# KiCad board keyboard.kicad_pcb (continued)
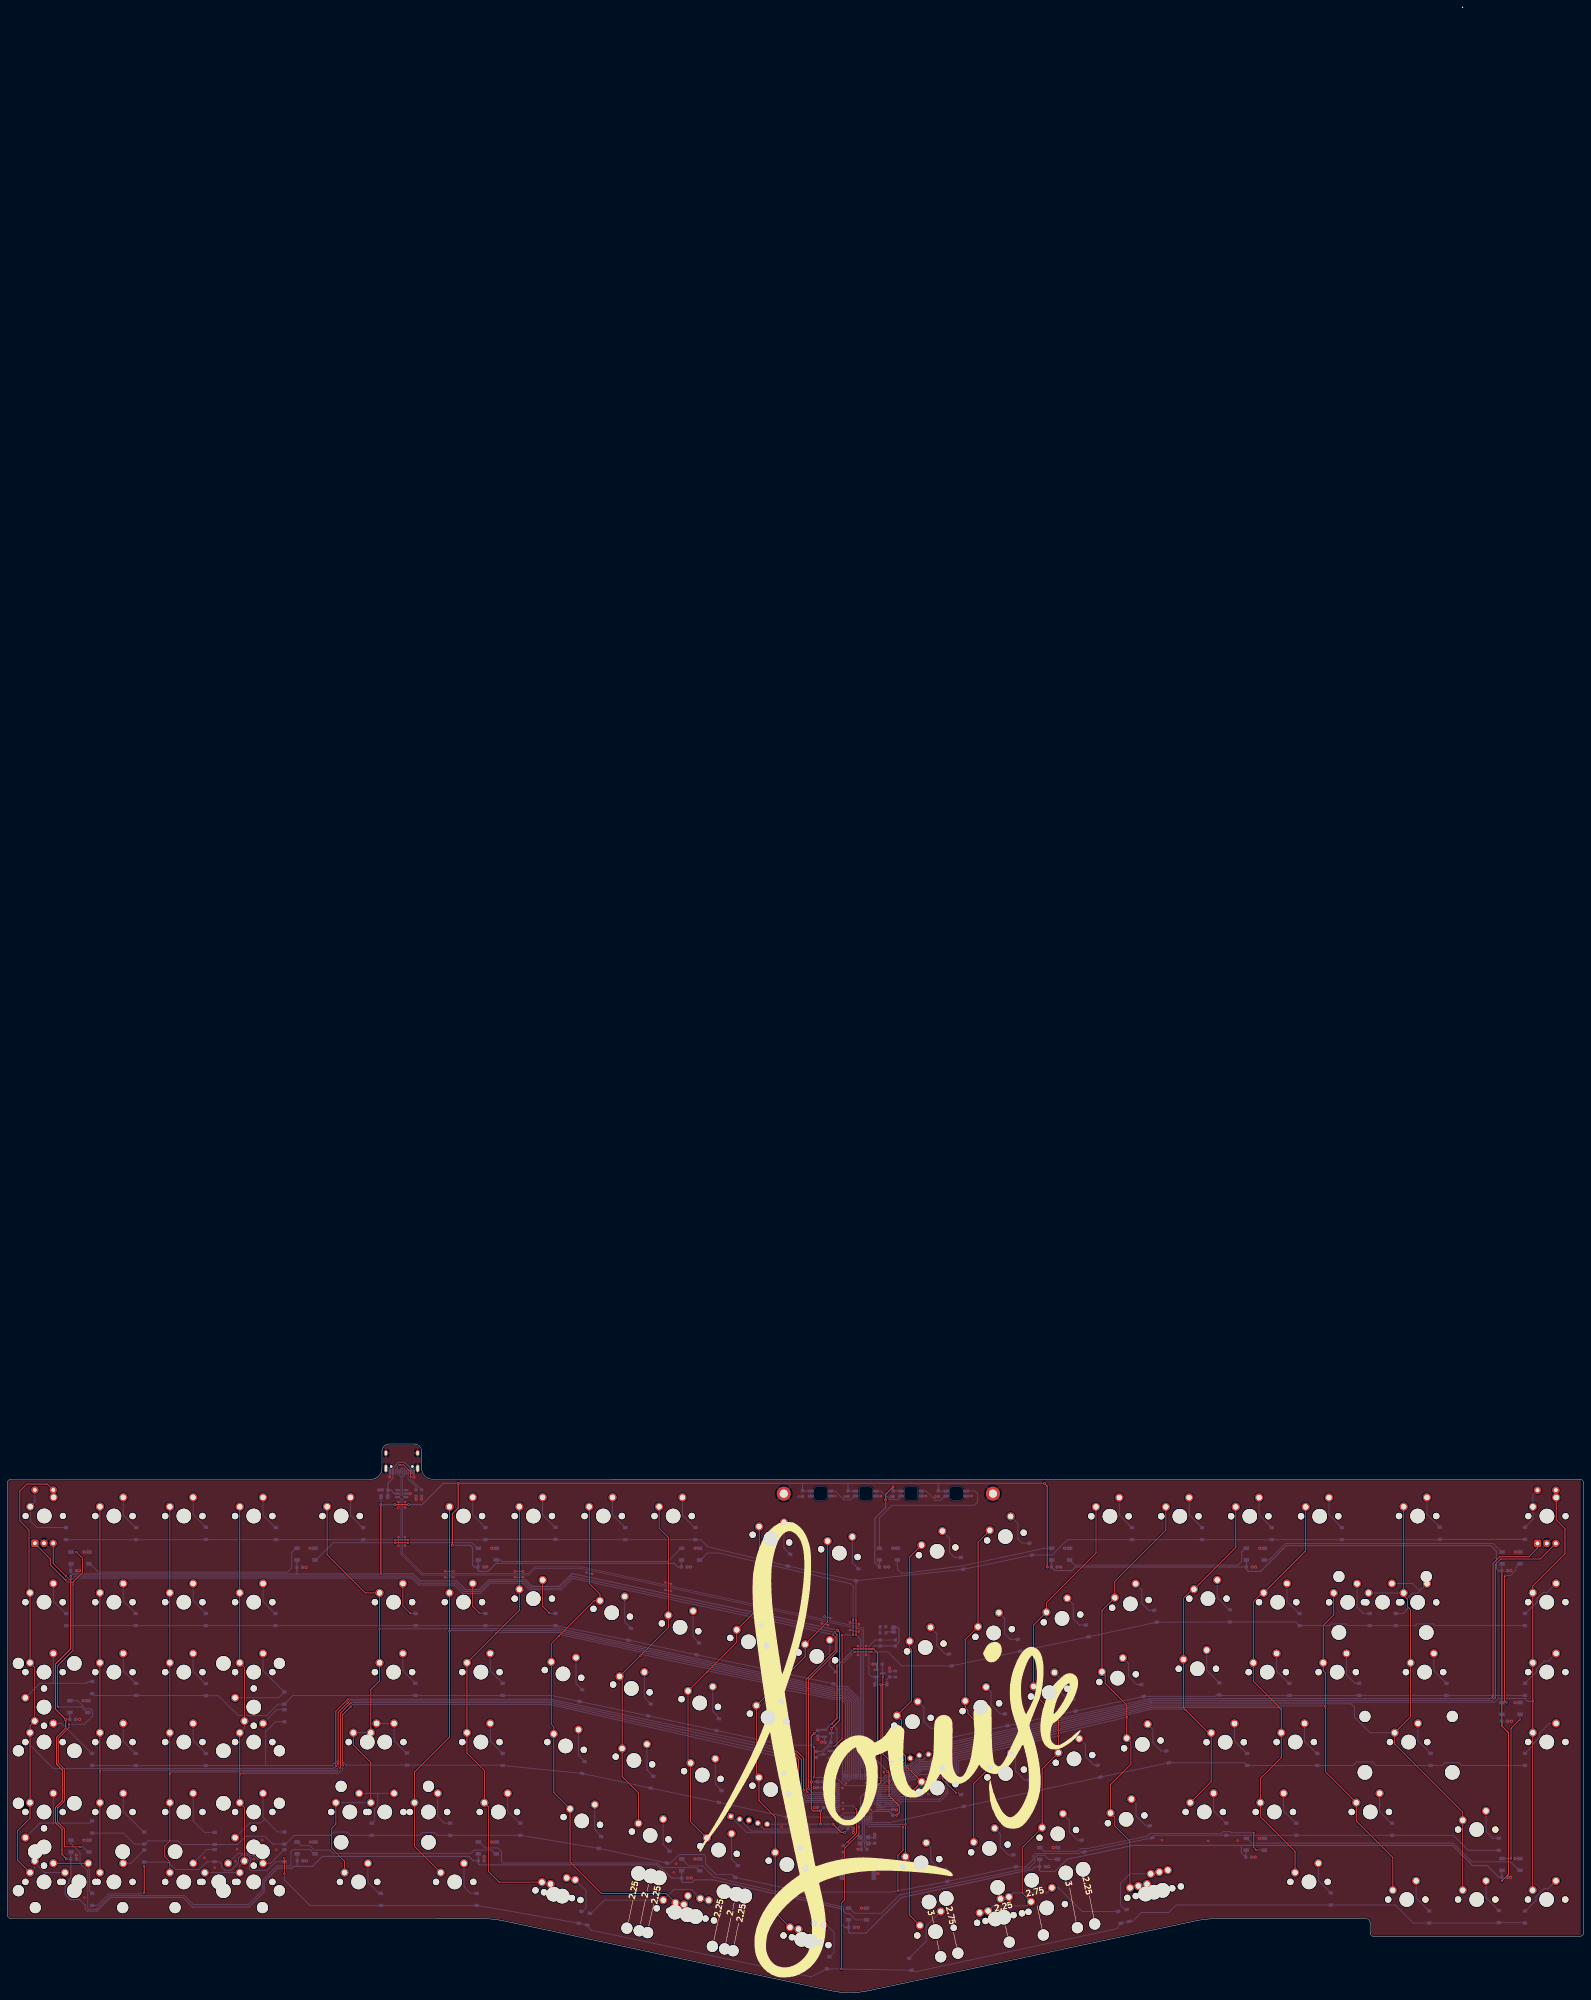
[diagram p0: board, top side]
## Routing (per net, layer and track width the routed paths; a pad name or vN(x,y) marks a point on that pad's centre or on a via; arc(x,y) is an arc through that point) (continued)
/ENC0_B: length 282.2
  Top w0.25: v1(225.5,98.14) 226.1,97.54 226.1,92.92 218.32,85.14 v1(218.32,55.52) ; SW1.B 12.5,116.92 v1(16,113.42)
  Bottom w0.25: v1(218.32,55.52) 219.4,54.44 223.16,54.44 224.59,55.87 U3.30 ; v1(225.5,98.14) 153.9,113.44 150.63,110.17 142.8,110.17 142.52,110.45 142.5,110.45 140.97,111.97 131.5,111.97 128.8,109.27 124.47,109.27 122.23,111.52 112.3,111.52 110.35,113.47 18.55,113.47 17.6,112.52 16.9,112.52 v1(16,113.42)
/ENC1_A: length 226.4
  Top w0.25: SW124.A 417.02,121.04 414.7,118.72 406.7,118.72 404.9,116.92 404.9,80.72 v1(404.5,80.32)
  Bottom w0.25: v1(404.5,80.32) 404.3,80.12 311.6,80.12 311.13,80.02 311.09,80.02 311.08,80 254.5,67.62 254.5,65.69 251.32,62.5 248.54,62.5 246.56,60.52 245.26,60.52 240.61,55.87 U3.51
/ENC1_B: length 230.6
  Top w0.25: SW124.B 417.77,118.12 407,118.12 405.5,116.62 405.5,80.32 v1(405.3,80.12)
  Bottom w0.25: U3.52 240.74,55.37 245.39,60.02 246.69,60.02 248.73,62.05 251.5,62.05 255.2,65.75 255.2,67.22 311.25,79.54 311.28,79.57 311.37,79.57 311.6,79.62 311.78,79.62 311.81,79.63 311.83,79.62 404.8,79.62 v1(405.3,80.12)
/nRST: length 56.1
  Top w0.25: v1(232.5,50.24) v1(232.5,48.64) ; v1(237,57.74) 237,57.72 234.93,55.64 v1(234.9,55.64) ; J2.1 240.85,62.79 238.6,65.04 v1(238.6,86.12)
  Bottom w0.25: v1(238.6,86.12) 238.59,86.13 Q2.3 238.6,86.99 238.6,87.94 238.42,88.12 C24.1 ; v1(232.5,48.64) 232.55,48.59 U3.7 ; v1(234.9,55.64) 232.5,53.24 v1(232.5,50.24) ; v1(237,57.74) 238.7,57.74 239.7,58.74 240.62,58.74 244.8,62.92 244.8,64.22 244.1,64.92 242.9,64.92 241.13,63.14
/RGB_UG: length 12.2
  Bottom w0.25: Q1.2 225.25,63.92 225.38,64.04 R1.2 226.97,64.04 227.58,63.44 227.58,57.93 227.81,57.69 229.29,57.69 229.52,57.93 229.52,58.82 U3.36
/row0: length 455.9
  Top w0.25: v1(231.3,97.44) v1(231.3,101.64) ; v1(109.2,123.34) v1(105.7,123.34)
  Bottom w0.25: U3.42 232.55,59.87 232.5,59.92 232.5,96.25 v1(231.3,97.44) ; D133.1 D120.1 390.3,123.37 D114.1 D108.1 D103.1 D98.1 288.92,123.37 284.76,119.2 D91.1 D86.1 D80.1 ; v1(109.2,123.34) 109.22,123.37 D47.1 130.4,123.47 D54.1 149.5,123.37 D61.1 D67.1 188.98,123.37 190.9,121.44 D74.1 230.05,112.46 D80.1 ; D80.1 231.26,101.69 v1(231.3,101.64) ; D6.1 D11.1 54,123.37 D21.1 54.2,123.37 D29.1 D38.1 105.68,123.37 v1(105.7,123.34)
/row1: length 438.3
  Top w0.25: v1(235.5,92.82) 230.92,92.82 v1(230.86,92.76)
  Bottom w0.25: U3.41 232.05,80.17 228.77,83.44 227.3,83.44 ; D130.1 389.15,99.97 388.7,100.42 384.2,100.42 383.75,99.97 D126.1 D121.1 365.25,99.97 364.8,100.42 360.8,100.42 360.35,99.97 D115.1 351.2,100.97 D109.1 D104.1 D99.1 D92.1 D87.1 243.71,89 239.9,92.82 v1(235.5,92.82) ; D1.1 D12.1 D22.1 D30.1 D39.1 D48.1 D55.1 D62.1 D68.1 D75.1 D81.1 225.82,83.44 227.3,83.44 ; v1(230.86,92.76) 230.76,92.76 227.3,89.3 227.3,83.44
/row2: length 414.6
  Top w0.25: v1(219.9,58.62) v1(219.9,66.92)
  Bottom w0.25: v1(219.9,58.62) 225.93,58.62 228.18,56.37 U3.50 240.45,56.37 245.05,60.97 246.37,60.97 248.36,62.95 251.13,62.95 253.84,65.67 D88.1 D93.1 D100.1 D105.1 329.16,80.7 329.55,81.09 D110.1 330.43,80.97 D116.1 D122.1 D127.1 D131.1 ; v1(219.9,66.92) 219.41,67.4 D82.1 D76.1 D69.1 D63.1 148.15,80.97 D56.1 D40.1 77.9,80.97 D31.1 73.75,78.57 70.64,75.46 62.96,75.46 57.55,80.87 D23.1 54,80.97 D13.1 23.78,80.97 23.28,81.47 D2.1
/row3: length 415.3
  Bottom w0.25: 70.35,61.87 88.52,61.87 89.7,63.04 91.16,63.04 92.23,61.97 D41.1 134.9,61.97 D57.1 D64.1 D70.1 D77.1 D83.1 226.86,47.8 228,48.94 231.5,48.94 232.1,49.54 234.4,49.54 235.05,48.89 U3.2 235.05,46.47 235.2,46.32 240.5,46.32 D89.1 D94.1 D101.1 D106.1 337.16,62.6 D111.1 D117.1 366.75,61.87 367.73,62.84 372.07,62.84 373.05,61.87 D123.1 391.05,61.87 391.83,62.64 395.57,62.64 396.35,61.87 D132.1 ; 70.35,61.87 70.4,61.92 70.4,71.12 73.05,73.77 D32.1 ; 70.35,61.87 D24.1 D14.1 D3.1
/row4: length 430.8
  Top w0.25: v1(244.1,45.19) 244.1,38.84 242.7,37.44 242.7,27.76 v1(242.68,27.74)
  Bottom w0.25: D4.1 31.65,43.47 34.65,40.47 D15.1 37.42,40.47 38.3,41.34 46.5,41.34 47.48,40.37 D25.1 62.75,40.37 65,42.62 70.2,42.62 72.35,40.47 D33.1 75.82,40.47 78.2,42.84 88.1,42.84 89,43.74 92.67,43.74 93.55,42.87 D42.1 112.32,42.87 113.1,43.64 116.4,43.64 117.18,42.87 D49.1 D58.1 D65.1 D71.1 180.79,35.3 183.1,37.62 189.8,37.62 190.3,37.12 190.3,35.02 193.1,32.22 197.54,32.22 D78.1 D84.1 240.91,27.4 v1(242.68,27.74) D90.1 D95.1 277.66,34.3 279.55,36.19 279.55,37.29 280.17,37.92 292.2,37.92 292.59,38.3 D102.1 D107.1 312.71,42.87 D112.1 D118.1 D124.1 394.08,42.87 398.18,38.77 D128.1 ; U3.4 234.05,45.97 234.8,45.22 244.08,45.22 v1(244.1,45.19)
/row5: length 472.8
  Top w0.25: v1(227.32,6.44) 227.3,6.45 227.3,24.42 228.2,25.32 228.2,39.34 232.1,43.24 v1(232.1,45.24) ; v1(37.3,27.22) v1(37.3,34.42) ; v1(75.5,32.34) v1(75.5,36.72)
  Bottom w0.25: v1(37.3,27.22) 37,26.92 27.7,26.92 24.55,23.77 D5.1 ; v1(232.1,45.24) 232.05,45.29 U3.8 ; v1(75.5,32.34) 75.5,30.72 82.45,23.77 D43.1 D50.1 D59.1 D66.1 159.1,17.02 219,4.32 D72.1 v1(227.32,6.44) D79.1 247.5,5.72 302.4,17.42 D85.1 D96.1 306.59,19.4 309,21.82 316.47,21.82 318.52,23.87 D113.1 378.25,23.87 383.15,18.97 D119.1 406.4,18.97 D125.1 413.5,19.07 D129.1 ; v1(75.5,36.72) D34.1 73.12,35.67 70.77,33.32 66.4,33.32 65.95,33.77 65.95,35.1 66.2,35.35 66.2,36.62 65.3,37.52 63.9,37.52 63,36.62 63,35.32 61,33.32 59.23,33.32 58.4,34.14 58.4,35.02 57.75,35.67 D26.1 54.45,35.67 52.33,33.54 45.77,33.54 43.75,35.57 D16.1 v1(37.3,34.42)
/SPARE_0: length 36.2
  Bottom w0.25: J3.1 197.14,48 201.59,43.54 226.5,43.54 229.05,46.09 U3.14
/SPARE_1: length 32.4
  Bottom w0.25: U3.15 228.55,46.29 226.25,43.99 202.81,43.99 J3.2
/SPARE_2: length 26
  Bottom w0.25: U3.16 228.05,46.43 226.16,44.54 206.17,44.54 J3.4
/SWDCLK: length 14.3
  Bottom w0.25: U3.49 238.82,56.87 239.58,57.62 239.58,57.64 240.18,58.24 240.93,58.24 244.6,61.92 245.82,61.92 248.53,64.62 J2.4
/SWDIO: length 13.4
  Bottom w0.25: J2.2 243.56,62.32 240.48,59.24 239.4,59.24 238.6,58.44 236.73,58.44 235.8,57.52 234.8,57.52 234.55,57.77 U3.46
/USB+: length 198.9
  Bottom w0.2: 108.25,140.8 108.25,140.79 107.68,140.22 107.68,135.58 108.29,134.97 U1.3 108.25,134.97 107.7,134.42 107.7,119.66 113.22,114.14 141.9,114.14 143.72,115.97 156.53,115.97 233.3,99.34 233.33,99.17 233.33,66.24 ; U3.45 234.03,58.82 234.03,61.01 233.33,61.71 233.33,66.24 ; 233.33,66.24 234.45,66.24 R7.2 ; 107.25,141.86 107.25,142.75 107.42,142.92 108.08,142.92 108.25,142.74 108.25,140.86
/USB-: length 196.6
  Bottom w0.2: U3.44 233.57,58.82 233.57,60.82 232.92,61.48 232.92,98.92 156.43,115.52 143.88,115.52 142.1,113.74 112.98,113.74 107.28,119.45 107.27,134.44 106.75,134.97 U1.4 106.64,134.97 107.27,135.6 107.27,140.51 ; 107.27,140.51 107.75,140.99 J1.A7 ; 107.27,140.51 106.75,141.04 J1.B7 ; 106.26,134.97 106.61,134.97
/XTAL_0: length 9.1
  Bottom w0.25: U3.5 233.55,41.69 234.6,40.64 Y1.3 234.67,40.69 C26.1
/XTAL_1: length 9.4
  Bottom w0.25: 232.4,42.2 233.58,41.03 233.58,39.72 C27.1 ; Y1.1 233.05,42.97 U3.6
Net-(BZ1-Pad1): length 6
  Bottom w0.25: BZ1.1 227.45,36.59 227.8,36.94 R8.2
Net-(D1-Pad2): length 9.7
  Bottom w0.25: D1.2 15.85,103.27 12.54,106.58 SW5.2
Net-(D2-Pad2): length 28.1
  Bottom w0.25: D2.2 22.05,84.77 21.56,84.28 12.54,84.28 ; 12.54,84.28 SW6.2 ; 12.54,84.28 12.55,84.27 8.87,84.27 SW7.2
Net-(D3-Pad2): length 13.9
  Bottom w0.25: D3.2 22.95,65.17 14.78,73.34 SW2.2
Net-(D4-Pad2): length 28.2
  Bottom w0.25: SW3.2 8.87,46.17 12.55,46.17 12.54,46.18 ; 12.54,46.18 SW8.2 ; 12.54,46.18 22.51,46.18 D4.2
Net-(D5-Pad2): length 18.1
  Top w0.25: SW9.2 SW4.2
  Bottom w0.25: D5.2 22.4,27.77 22.4,33.52 22.07,33.85 SW9.2
Net-(D6-Pad2): length 19.5
  Bottom w0.25: D6.2 8.05,126.67 6.25,128.47 SW1.S2 7.5,133.63 SW1.S2
Net-(D7-Pad2): length 52.2
  Bottom w0.25: D7.2 183.6,121.04 180,117.44 134.8,117.44 134.4,117.84 D9.4
Net-(D7-Pad4): length 97.9
  Top w0.25: v1(227.5,97.44) 227.5,69.22 v1(225.4,67.12) ; v1(230.5,97.44) v1(230.5,101.64)
  Bottom w0.25: v1(230.5,97.44) v1(227.5,97.44) ; R2.2 221.33,64.87 Q1.3 222.36,65.45 224.03,67.12 v1(225.4,67.12) ; v1(230.5,101.64) 230.5,110.74 229.9,111.34 193.99,119.74 190.8,119.74 188.9,117.84 D7.4
Net-(D10-Pad2): length 42.8
  Top w0.25: v1(409.8,36.52) 409.8,72.02 v1(412.2,74.42)
  Bottom w0.25: D18.4 412.2,75.77 v1(412.2,74.42) ; D10.2 v1(409.8,36.52)
Net-(D10-Pad4): length 78.2
  Bottom w0.25: D10.4 412,33.32 409.7,35.62 399.13,35.62 394,40.74 339.21,40.74 337.94,42.02 D8.2
Net-(D11-Pad2): length 9.8
  Bottom w0.25: SW10.2 31.59,130.03 34.95,126.67 D11.2
Net-(D12-Pad2): length 9.6
  Bottom w0.25: D12.2 31.59,106.68 SW11.2
Net-(D13-Pad2): length 9.7
  Bottom w0.25: D13.2 34.95,84.27 31.59,87.63 SW12.2
Net-(D14-Pad2): length 9.7
  Bottom w0.25: SW13.2 31.59,68.43 34.85,65.17 D14.2
Net-(D15-Pad2): length 13
  Bottom w0.25: D15.2 37.15,43.77 31.59,49.33 SW14.2
Net-(D16-Pad2): length 7.2
  Bottom w0.25: D16.2 33.67,35.24 SW15.2
Net-(D17-Pad2): length 56
  Top w0.25: v1(13.8,77.82) 13.7,77.92 13.7,89.02 17.9,93.22 17.9,111.82 20.5,114.42 20.5,118.32 v1(18.8,120.02)
  Bottom w0.25: v1(13.8,77.82) 20.2,77.82 21.7,76.32 D19.4 ; D17.2 v1(18.8,120.02)
Net-(D18-Pad2): length 42
  Top w0.25: v1(408.6,79.02) 408,79.62 408,113.32 v1(408.3,113.62)
  Bottom w0.25: D18.2 v1(408.6,79.02) ; D20.4 412.1,116.82 411.1,115.82 411.1,115.02 409.7,113.62 v1(408.3,113.62)
Net-(D19-Pad2): length 60.3
  Top w0.25: v1(19.9,39.72) 15.6,39.72 15.6,44.62 13.7,46.52 13.7,50.32 15.6,52.22 15.6,60.82 13.88,62.54 13.88,69.23 16.8,72.14 v1(16.8,73.12)
  Bottom w0.25: v1(16.8,73.12) 21,73.12 23.2,75.32 23.2,76.92 22.8,77.32 21.4,77.32 19.2,79.52 D19.2 ; v1(19.9,39.72) 20.53,39.72 21.93,38.32 D27.4
Net-(D20-Pad2): length 67.6
  Bottom w0.25: D28.4 343.9,117.84 348.4,122.34 404.9,122.34 407.23,120.02 D20.2
Net-(D21-Pad2): length 9.6
  Bottom w0.25: D21.2 50.64,130.23 SW16.2
Net-(D22-Pad2): length 9.6
  Bottom w0.25: D22.2 50.64,106.73 SW17.2
Net-(D23-Pad2): length 9.7
  Bottom w0.25: D23.2 53.94,84.17 50.64,87.47 SW18.2
Net-(D24-Pad2): length 9.6
  Bottom w0.25: SW19.2 50.64,68.63 D24.2
Net-(D25-Pad2): length 14.7
  Bottom w0.25: D25.2 53.75,43.67 50.64,46.78 SW20.2
Net-(D26-Pad2): length 7.4
  Bottom w0.25: D26.2 54.37,38.97 SW21.2
Net-(D27-Pad2): length 95.3
  Bottom w0.25: D35.4 83.63,37.82 82.5,38.94 77.9,38.94 77.3,38.34 77.3,34.84 76.97,34.52 73.46,34.52 69.5,30.55 69.5,27.82 65.7,24.02 50.7,24.02 48.3,26.42 28,26.42 24.3,22.72 22.1,22.72 21.9,22.92 21.9,33.14 19.8,35.24 19.8,38.12 17.35,40.57 D27.2
Net-(D28-Pad2): length 52.2
  Bottom w0.25: D36.4 290.9,116.44 335.4,116.44 336.4,117.44 336.4,120.04 337.4,121.04 D28.2
Net-(D29-Pad2): length 9.8
  Bottom w0.25: D29.2 73.05,126.67 69.69,130.03 SW25.2
Net-(D30-Pad2): length 9.7
  Bottom w0.25: SW26.2 69.69,106.53 72.95,103.27 D30.2
Net-(D31-Pad2): length 27
  Bottom w0.25: SW27.2 69.69,87.68 D31.2 73.95,80.32 SW22.2
Net-(D32-Pad2): length 7.4
  Bottom w0.25: SW28.2 73.42,77.07 D32.2
Net-(D33-Pad2): length 24.2
  Bottom w0.25: SW29.2 69.69,47.73 70.15,47.27 ; SW23.2 66.07,46.22 69.1,46.22 70.15,47.27 ; 70.15,47.27 73.65,43.77 D33.2
Net-(D34-Pad2): length 18.8
  Bottom w0.25: SW24.2 71.72,35.24 75.45,38.97 ; SW30.2 62.9,37.97 65.49,37.97 66.14,37.32 67.3,37.32 69.38,35.24
Net-(D35-Pad2): length 56.5
  Bottom w0.25: D35.2 79.13,41.02 80.1,40.04 82.4,40.04 83.63,38.82 88.13,38.82 88.13,38.62 88.8,37.94 126.3,37.94 127.17,38.82 132,38.82 133,37.82 D37.4
Net-(D37-Pad2): length 65.2
  Bottom w0.25: D37.2 128.6,41.02 130.2,39.42 133.7,39.42 134.7,38.42 134.7,35.72 135.1,35.32 177.2,35.32 178.48,34.04 187.88,34.04 D45.4
Net-(D38-Pad2): length 9.8
  Bottom w0.25: D38.2 96.85,126.67 93.5,130.02 SW33.2
Net-(D39-Pad2): length 10.5
  Top w0.25: v1(109.8,103.34) 107.79,105.35 SW34.2
  Bottom w0.25: v1(109.8,103.34) 109.88,103.27 D39.2
Net-(D40-Pad2): length 9.5
  Bottom w0.25: D40.2 107.79,87.68 SW35.2
Net-(D41-Pad2): length 14.4
  Bottom w0.25: D41.2 108.74,65.27 105.41,68.6 SW36.2 SW31.2
Net-(D42-Pad2): length 18.4
  Bottom w0.25: 100.97,54.29 100.97,50.89 100.1,50.02 100.1,46.86 99.41,46.17 D42.2 ; 100.97,54.29 SW32.2 ; 100.97,54.29 SW37.2
Net-(D43-Pad2): length 10
  Bottom w0.25: D43.2 101.25,27.07 98.27,30.05 SW38.2
Net-(D44-Pad2): length 8.3
  Bottom w0.25: D44.2 255.44,135.26 254.3,134.12 252.9,134.12 250.4,136.62 D46.4
Net-(D45-Pad2): length 55.2
  Bottom w0.25: D45.2 185.7,34.52 189.5,34.52 192.5,31.52 227.6,23.32 227.9,23.02 227.9,22.22 228.6,21.52 229.5,21.52 231.2,19.82 D51.4
Net-(D46-Pad2): length 8.2
  Bottom w0.25: D52.4 238.15,136.62 240.5,134.27 242.58,134.27 D46.2
Net-(D47-Pad2): length 9.7
  Bottom w0.25: SW39.2 126.84,130.13 D47.2
Net-(D48-Pad2): length 10.5
  Top w0.25: SW40.2 126.84,105.2 v1(128.7,103.34)
  Bottom w0.25: v1(128.7,103.34) 128.78,103.27 D48.2
Net-(D49-Pad2): length 10.5
  Bottom w0.25: D49.2 119.05,46.17 117.31,47.9 SW41.2
Net-(D50-Pad2): length 10.6
  Bottom w0.25: D50.2 126.25,27.07 124.46,28.86 SW42.2
Net-(D51-Pad2): length 63
  Bottom w0.25: D51.2 229.53,23.02 230.93,21.62 238.2,21.62 243.2,26.62 278.5,34.02 280.05,35.57 280.05,36.87 280.6,37.42 282.7,37.42 283.8,36.32 D53.4
Net-(D52-Pad2): length 8.3
  Bottom w0.25: D60.4 225.6,136.62 228,134.22 229.8,134.22 230.84,135.26 D52.2
Net-(D53-Pad2): length 67.2
  Top w0.25: v1(339.7,43.54) 339.7,39.52 v1(340.4,38.82)
  Bottom w0.25: v1(340.4,38.82) D8.4 ; v1(339.7,43.54) 333.6,43.54 333.3,43.84 331.4,43.84 330.87,43.32 311.37,43.32 310.7,42.64 294.3,39.24 292.5,39.24 291.77,38.52 282.6,38.52 281.6,39.52 D53.2
Net-(D54-Pad2): length 9.7
  Bottom w0.25: SW43.2 145.89,130.13 149.25,126.77 D54.2
Net-(D55-Pad2): length 11.5
  Top w0.25: SW44.2 145.89,105.25 v1(147.7,103.44)
  Bottom w0.25: v1(147.7,103.44) 147.88,103.27 D55.2
Net-(D56-Pad2): length 9.5
  Bottom w0.25: SW45.2 131.6,87.67 D56.2
Net-(D57-Pad2): length 9.6
  Bottom w0.25: D57.2 131.6,68.57 SW46.2
Net-(D58-Pad2): length 9.7
  Bottom w0.25: SW47.2 136.37,49.38 139.58,46.17 D58.2
Net-(D59-Pad2): length 13.1
  Bottom w0.25: SW128.2 154.24,31.26 SW48.2 157.7,27.8 157.7,23.02 156.81,22.13 D59.2
Net-(D61-Pad2): length 9.7
  Bottom w0.25: SW50.2 164.94,130.13 D61.2
Net-(D62-Pad2): length 9.4
  Bottom w0.25: D62.2 168.25,100.92 SW51.2
Net-(D63-Pad2): length 9.4
  Bottom w0.25: D63.2 154.98,84.2 SW52.2
Net-(D64-Pad2): length 9.4
  Bottom w0.25: SW53.2 155.67,64.64 157.34,62.97 D64.2
Net-(D65-Pad2): length 9.4
  Bottom w0.25: SW54.2 160.1,44.42 161.84,42.67 D65.2
Net-(D66-Pad2): length 36.3
  Bottom w0.25: SW49.2 189.34,25.16 SW55.2 186.38,28.12 181.67,28.12 SW129.1 162.68,25.19 159.11,21.63 D66.2
Net-(D67-Pad2): length 9.8
  Bottom w0.25: SW58.2 183.99,130.03 187.35,126.67 D67.2
Net-(D68-Pad2): length 9.4
  Bottom w0.25: SW59.2 186.89,96.93 188.54,95.27 D68.2
Net-(D69-Pad2): length 9.4
  Bottom w0.25: D69.2 175.34,78.67 173.61,80.41 SW60.2
Net-(D70-Pad2): length 9.5
  Bottom w0.25: D70.2 174.31,60.67 SW61.2
Net-(D71-Pad2): length 9.4
  Bottom w0.25: D71.2 180.44,38.67 178.73,40.39 SW62.2
Net-(D72-Pad2): length 13.5
  Bottom w0.25: SW63.2 220.54,18.46 SW56.2 223.26,18.46 225.3,16.42 225.3,10.99 D72.2
Net-(D73-Pad2): length 19.8
  Bottom w0.25: D73.2 236.71,84.29 Q2.1 235.59,86.03 234.8,86.82 234.8,94.34 236.5,96.04 SW57.2 SW57.2
Net-(D74-Pad2): length 9.4
  Bottom w0.25: D74.2 211.64,121.13 SW64.2
Net-(D75-Pad2): length 9.4
  Bottom w0.25: D75.2 205.52,93.05 SW65.2
Net-(D76-Pad2): length 9.4
  Bottom w0.25: SW66.2 192.24,76.57 193.94,74.87 D76.2
Net-(D77-Pad2): length 9.4
  Bottom w0.25: D77.2 194.64,55.07 192.94,56.78 SW67.2
Net-(D78-Pad2): length 9.4
  Bottom w0.25: D78.2 199.04,34.77 197.37,36.45 SW68.2
Net-(D79-Pad2): length 16.4
  Bottom w0.25: SW69.2 250.4,18.14 250.4,14.02 245.76,9.37 D79.2
Net-(D80-Pad2): length 9.4
  Bottom w0.25: SW72.2 230.29,117.08 D80.2
Net-(D81-Pad2): length 9.4
  Bottom w0.25: D81.2 224.15,89.02 SW73.2
Net-(D82-Pad2): length 9.4
  Bottom w0.25: SW74.2 210.88,72.44 212.54,70.77 D82.2
Net-(D83-Pad2): length 9.4
  Bottom w0.25: D83.2 213.24,51.17 211.57,52.84 SW75.2
Net-(D84-Pad2): length 9.4
  Bottom w0.25: SW76.2 216,32.52 217.74,30.77 D84.2
Net-(D85-Pad2): length 36
  Bottom w0.25: D85.2 292.91,22.13 286.48,28.57 SW71.2 283.3,27.19 274.1,27.19 SW70.2 272.48,25.57 SW77.2
Net-(D86-Pad2): length 10.3
  Bottom w0.25: SW78.2 256.8,123.74 256.8,119.82 258.09,118.53 D86.2
Net-(D87-Pad2): length 10
  Bottom w0.25: D87.2 255.59,92.23 253.3,94.52 253.3,97.8 SW79.2
Net-(D88-Pad2): length 10.3
  Bottom w0.25: SW80.2 249.8,77.59 249.8,73.82 251.59,72.03 D88.2
Net-(D89-Pad2): length 10
  Top w0.25: v1(258.5,54.44) 254.86,58.08 SW81.2
  Bottom w0.25: v1(258.5,54.44) 259.1,54.44 259.61,53.93 D89.2
Net-(D90-Pad2): length 10.3
  Bottom w0.25: D90.2 254.09,33.53 251.7,35.92 251.7,39.56 SW82.2
Net-(D91-Pad2): length 10.6
  Bottom w0.25: D91.2 276.59,122.43 275.4,123.62 275.4,127.74 SW85.2
Net-(D92-Pad2): length 10.6
  Bottom w0.25: D92.2 273.29,96.23 271.8,97.72 271.8,101.89 SW86.2
Net-(D93-Pad2): length 10.2
  Bottom w0.25: SW87.2 268.1,81.88 268.1,78.42 270.59,75.93 D93.2
Net-(D94-Pad2): length 10.2
  Bottom w0.25: SW88.2 274.8,63.9 274.8,60.32 277.19,57.93 D94.2
Net-(D95-Pad2): length 10.2
  Bottom w0.25: D95.2 272.79,37.53 270.6,39.72 270.6,43.26 SW89.2
Net-(D96-Pad2): length 22.5
  Bottom w0.25: D96.2 304.61,22.63 303.4,23.84 303.4,29.84 305.92,32.37 SW90.2 312.13,32.87 SW84.2 314.43,33.37 SW83.2
Net-(D97-Pad2): length 1.7
  Bottom w0.25: R6.2 237.83,99.66 D97.2
Net-(D98-Pad2): length 9.6
  Bottom w0.25: D98.2 303.04,130.13 SW91.2
Net-(D99-Pad2): length 10.4
  Bottom w0.25: SW92.2 290.5,105.79 290.5,101.82 292.19,100.13 D99.2
Net-(D100-Pad2): length 10.3
  Bottom w0.25: SW93.2 287.1,85.48 287.1,81.72 288.89,79.93 D100.2
Net-(D101-Pad2): length 9.9
  Bottom w0.25: D101.2 296.19,61.93 293.8,64.32 293.8,67.49 SW94.2
Net-(D102-Pad2): length 9.9
  Bottom w0.25: D102.2 291.69,41.53 289.4,43.82 289.4,47.05 SW95.2
Net-(D103-Pad2): length 9.6
  Bottom w0.25: SW96.2 322.09,130.18 D103.2
Net-(D104-Pad2): length 10.2
  Bottom w0.25: D104.2 311.09,104.13 309.2,106.02 309.2,109.68 SW97.2
Net-(D105-Pad2): length 10.1
  Bottom w0.25: D105.2 307.79,83.93 305.6,86.12 305.6,89.57 SW98.2
Net-(D106-Pad2): length 10.2
  Bottom w0.25: SW99.2 312.2,71.69 312.2,68.12 314.49,65.83 D106.2
Net-(D107-Pad2): length 10
  Bottom w0.25: SW100.2 307.6,51.45 307.6,48.12 310.29,45.43 D107.2
Net-(D108-Pad2): length 9.6
  Bottom w0.25: D108.2 341.14,130.13 SW101.2
Net-(D109-Pad2): length 9.7
  Bottom w0.25: SW102.2 329.74,107.58 333.05,104.27 D109.2
Net-(D110-Pad2): length 10.3
  Bottom w0.25: D110.2 326.87,87.83 326.87,93.3
Net-(D111-Pad2): length 9.7
  Bottom w0.25: D111.2 337.75,65.17 334.44,68.48 SW104.2
Net-(D112-Pad2): length 9.6
  Bottom w0.25: D112.2 332.15,46.17 328.74,49.58 SW105.2
Net-(D113-Pad2): length 9.5
  Bottom w0.25: SW106.2 357.29,30.58 D113.2
Net-(D114-Pad2): length 9.6
  Bottom w0.25: D114.2 360.19,130.18 SW107.2
Net-(D115-Pad2): length 9.7
  Bottom w0.25: SW108.2 348.74,106.58 352.05,103.27 D115.2
Net-(D116-Pad2): length 9.6
  Bottom w0.25: SW109.2 345.91,87.6 349.25,84.27 D116.2
Net-(D117-Pad2): length 9.7
  Bottom w0.25: SW110.2 353.54,68.48 356.85,65.17 D117.2
Net-(D118-Pad2): length 9.7
  Bottom w0.25: SW111.2 347.84,49.48 351.15,46.17 D118.2
Net-(D119-Pad2): length 9.7
  Bottom w0.25: SW112.2 383.94,25.83 D119.2
Net-(D120-Pad2): length 9.6
  Bottom w0.25: SW113.2 386.89,130.28 D120.2
Net-(D121-Pad2): length 10.6
  Bottom w0.25: D121.2 369.55,103.27 367.84,104.98 SW114.2
Net-(D122-Pad2): length 10.2
  Bottom w0.25: D122.2 367.25,84.27 364.97,86.55 SW115.2
Net-(D123-Pad2): length 9.6
  Bottom w0.25: D123.2 387.85,65.17 384.44,68.58 SW116.2
Net-(D124-Pad2): length 9.7
  Bottom w0.25: SW117.2 373.99,49.33 377.15,46.17 D124.2
Net-(D125-Pad2): length 9.5
  Bottom w0.25: D125.2 402.99,25.88 SW118.2
Net-(D126-Pad2): length 22
  Bottom w0.25: D126.2 380.42,103.27 381.6,104.44 381.6,107.42 383,108.82 384.31,108.82 384.97,109.48 ; 384.97,109.48 383.01,111.44 SW120.2 ; 384.97,109.48 SW119.2
Net-(D127-Pad2): length 9.5
  Bottom w0.25: D127.2 388.78,87.69 SW121.2
Net-(D128-Pad2): length 9.9
  Bottom w0.25: D128.2 404.85,42.07 402.99,43.93 SW122.2
Net-(D129-Pad2): length 12.4
  Bottom w0.25: SW123.2 419.91,28.32 418.8,28.32 416.6,26.12 416.6,25.12 413.75,22.27 D129.2
Net-(D130-Pad2): length 12.4
  Bottom w0.25: D130.2 413.75,103.27 416.9,106.42 416.9,107.32 418.6,109.02 419.66,109.02 SW125.2
Net-(D131-Pad2): length 12.3
  Bottom w0.25: SW126.2 420.01,90.32 418.9,90.32 416.7,88.12 416.7,87.37 D131.2
Net-(D132-Pad2): length 12.8
  Bottom w0.25: D132.2 413.65,65.17 415.8,67.32 415.8,67.8 417.5,69.5 417.5,70.62 420.23,73.35 SW127.2
Net-(D133-Pad2): length 11.5
  Bottom w0.25: D133.2 415.77,128.94 SW124.S2 415.77,135.62 SW124.S2
Net-(D134-Pad2): length 42.4
  Bottom w0.25: 261.43,136.64 263.7,136.64 264.4,135.94 264.4,133.64 263.5,132.74 241.1,132.74 237.65,129.29 D134.2
Net-(D134-Pad4): length 45.6
  Bottom w0.25: D134.4 242.55,115.39 243.7,114.25 244.9,114.25 260.2,116.24 282.6,121.04 D36.2
Net-(D135-Pad2): length 63.1
  Bottom w0.25: 22.5,116.82 D17.4 22.53,116.82 24.8,114.54 76.4,114.54 77.5,115.64 77.5,119.94 78.6,121.04 D135.2
Net-(D135-Pad4): length 47.1
  Top w0.25: v1(109.2,122.54) v1(105.7,122.54)
  Bottom w0.25: v1(109.2,122.54) 109.22,122.57 126.58,122.57 128.1,121.04 D9.2 ; v1(105.7,122.54) 88.8,122.54 84.1,117.84 D135.4
Net-(J1-PadA5): length 12.1
  Top w0.25: v1(109.9,140.42) 109.9,141.82 107.97,143.75 v1(106.92,143.75)
  Bottom w0.25: R3.2 109.9,139.94 v1(109.9,140.42) ; v1(106.92,143.75) 106.25,143.09 J1.A5
Net-(J1-PadB5): length 5.8
  Bottom w0.25: R4.1 111.4,137.74 109.25,139.89 J1.B5
Net-(JP1-Pad1): length 2.2
  Bottom w0.25: JP1.1 239.72,98.24 R6.1

## Copper pours and planes (outline as drawn; the poured copper is in the pictures)
GND on Top, Bottom: 113.8,140.42 428.8,140.42 428.8,14.42 369.8,14.42 369.8,19.42 324.8,19.42 228.8,-1.58 131.8,19.42 -1.2,19.42 -1.2,140.42 100.8,140.42 100.8,150.42 113.8,150.42

## Text on the board
B.Fab: D | D25
B.Silkscreen: JLCJLCJLC | PWR | RST | DEBUG | 1.25 | 1.5 | 2.25 | 2 | PA0 | PA1 | GND | PA2 | 3V3 | 1 | STEPPED | NORMAL | nRST | IO | CLK | 2.75 | 3 | SPARE IO
F.Silkscreen: 2.25 | 2.75 | 2 | 3
